# Altium PCB controller.PcbDoc (part 4 of 6) (continued)
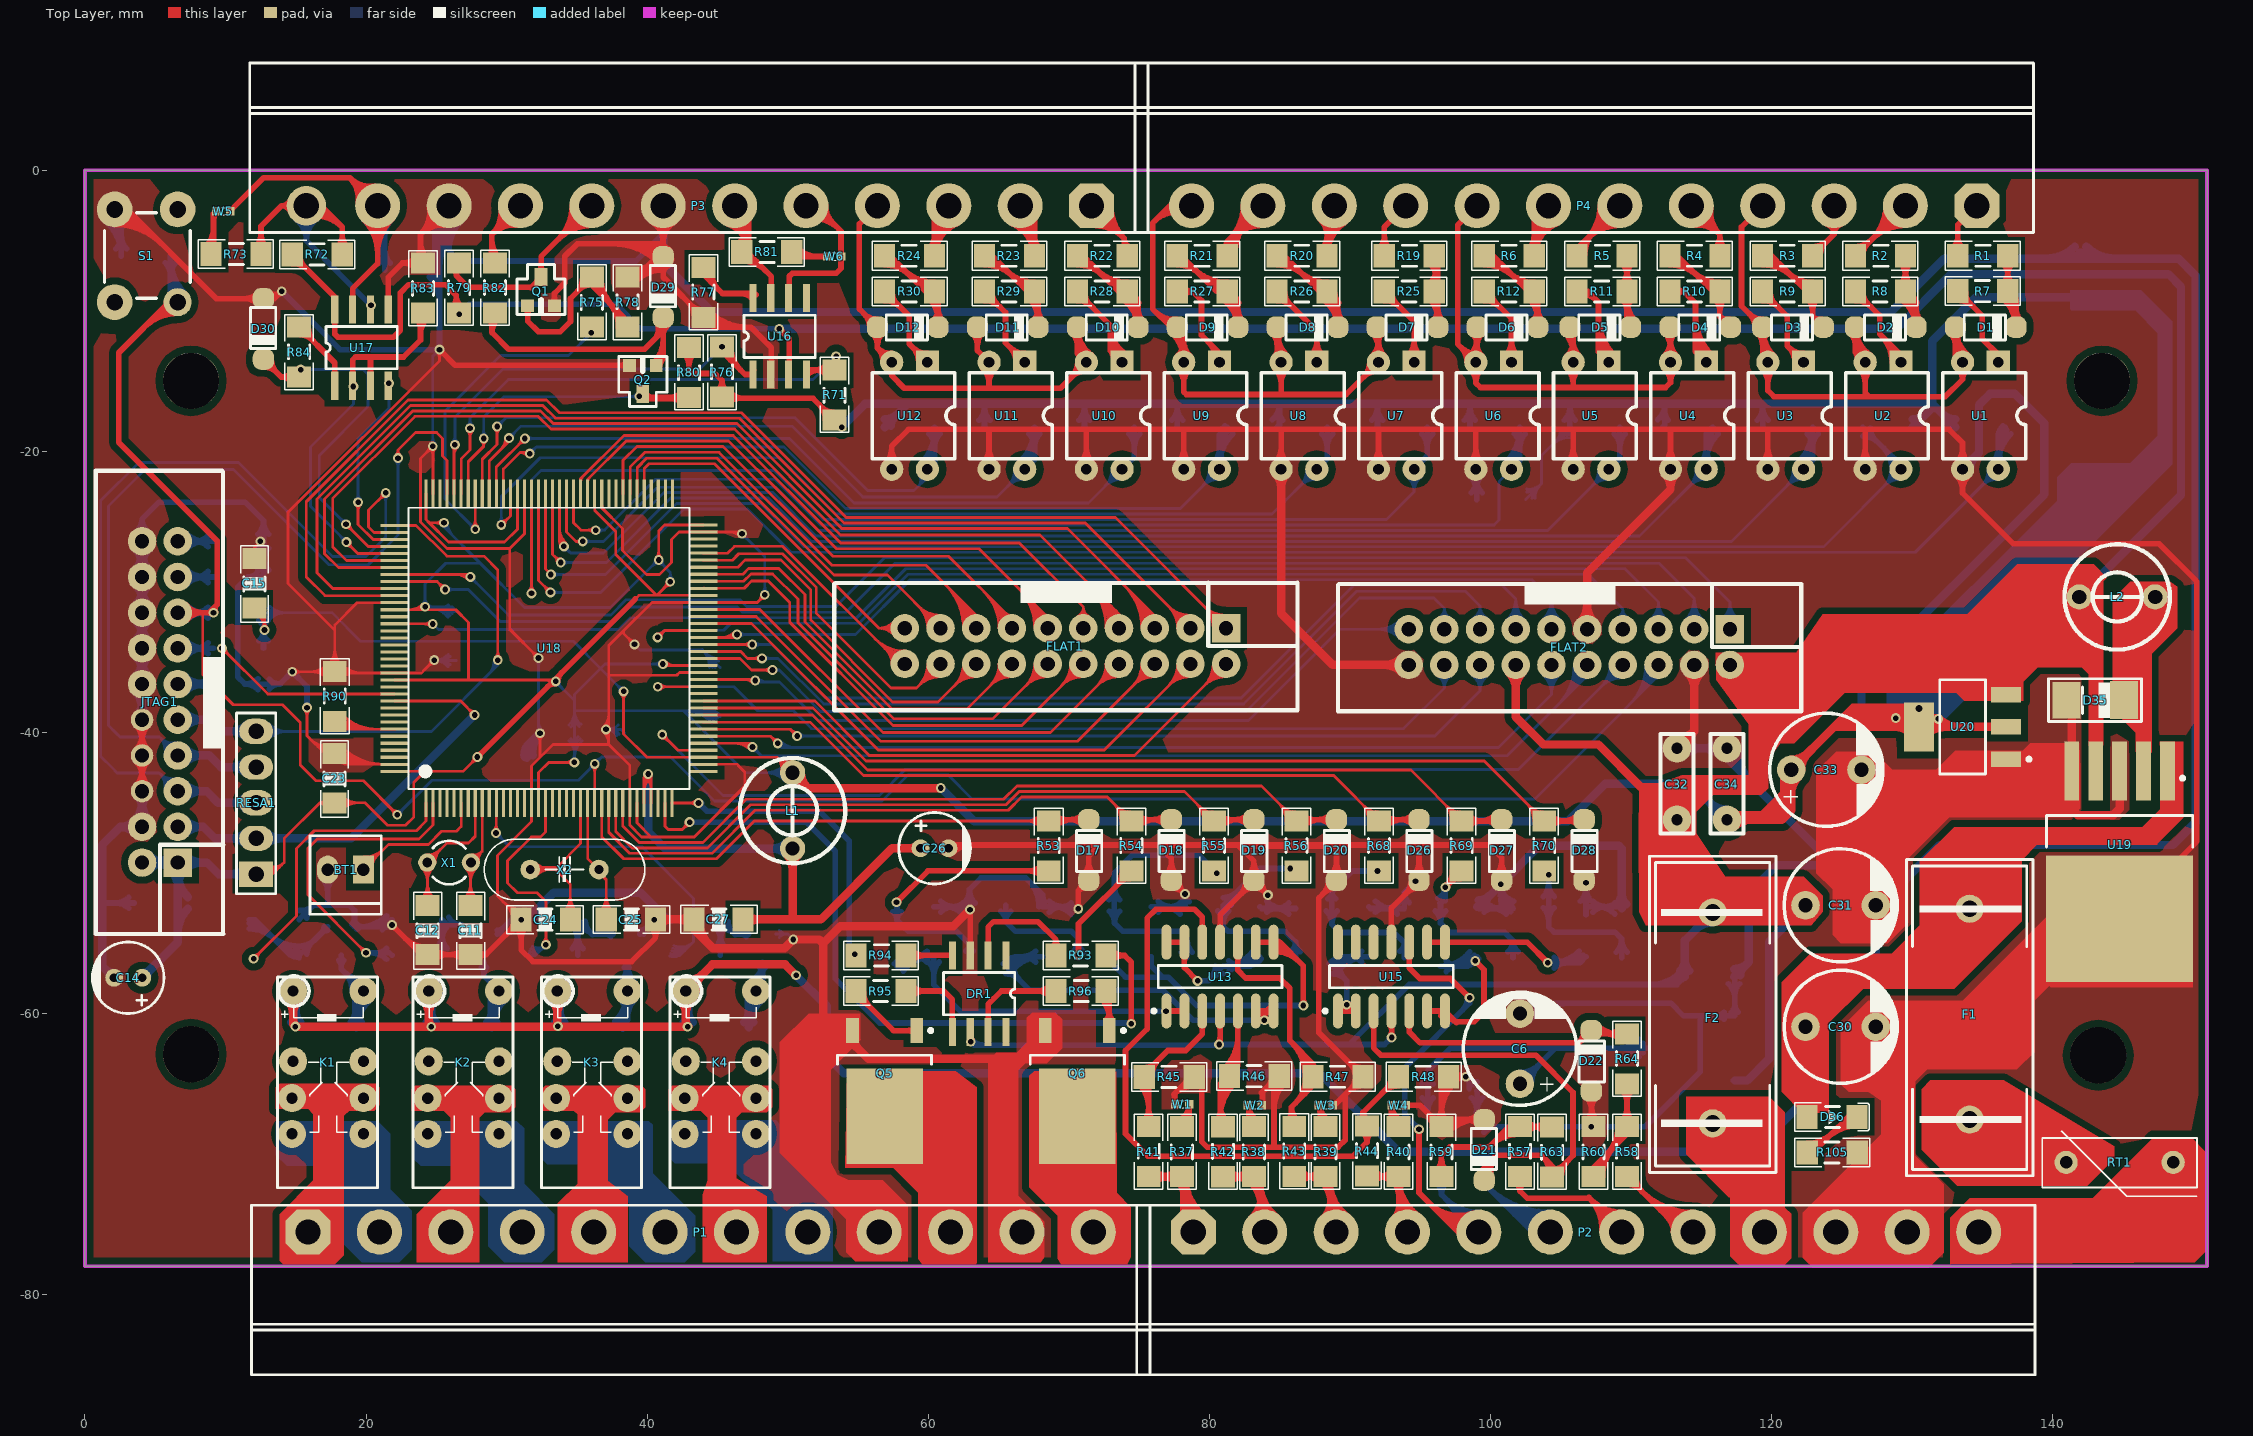
[diagram p0: Top Layer view]
## Nets (pads, with @x,y where several pads share a name; then routed paths per layer and width w, separated by ;. In a path a pad name is that pad's centre, name@x,y a point inside that pad or via, vN(x,y) a via of type N, cw(c..) or ccw(c..) an arc to the next point about the centre after c; other vN are vias at no path point) (continued)
  Bottom Layer w0.2: v1(40.75,-33.25) 41.25,-32.75 45.45,-32.75 45.955,-32.245 55.08,-32.245 58.565,-28.76 106.935,-28.76 109.43,-31.255 ; v1@40.75,-33 ccw(c40.75,-32.396) 41.177,-32.823 ccw(c41.604,-33.25) v1@41,-33.25 ; FLAT2.7@109.052,-31.84 ccw(c108.787,-31.255) 109.43,-31.255 ; FLAT2.7@109.135,-32.023 ccw(c108.928,-31.565) 109.43,-31.565 ccw(c109.932,-31.565) FLAT2.7@109.725,-32.023 ; FLAT2.7@109.43,-32.675 109.43,-31.255 ; FLAT2.7@109.808,-31.84 cw(c110.073,-31.255) 109.43,-31.255
LEDBK1: FLAT1.2 U18.47 | length 49.6
  Top Layer w0.2: U18.47@44.02,-37.786 51.936,-37.786 55.81,-41.66 74.68,-41.66 FLAT1.2@81.2,-35.14 ; FLAT1.2@80.284,-35.14 cw(c78.073,-35.14) 79.636,-36.704 cw(c81.2,-38.267) FLAT1.2@81.2,-36.056 ; FLAT1.2@80.484,-35.14 cw(c78.755,-35.14) 79.978,-36.362 cw(c81.2,-37.585) FLAT1.2@81.2,-35.856 ; FLAT1.2@80.684,-35.14 cw(c79.438,-35.14) 80.319,-36.021 cw(c81.2,-36.902) FLAT1.2@81.2,-35.656
LINKRX: P3.9 R82.2 | length 14
  Top Layer w0.4: R82.2@28.686,-6.213 ccw(c28.034,-5.561) 28.956,-5.561 ; R82.2@28.956,-6.604 28.956,-6.602 28.956,-4.572 ; 28.956,-4.987 ccw(c30.69,-4.987) R82.2@29.464,-6.213 ; P3.9@29.598,-2.709 cw(c27.366,-2.982) 28.956,-4.572 ; P3.9@29.995,-2.661 cw(c28.401,-2.855) 29.537,-3.991 cw(c30.673,-5.127) P3.9@30.867,-3.533 ; P3.9@30.819,-3.93 ccw(c30.546,-6.162) 28.956,-4.572 ; P3.9@30.988,-2.54 28.956,-4.572
LINKTX: P3.8 Q1.3 R79.2 | length 26.1
  Top Layer w0.4: R79.2@26.19,-7.038 cw(c25.836,-7.498) 26.416,-7.498 cw(c26.804,-7.498) R79.2@26.689,-7.127 ; R79.2@26.416,-6.604 26.416,-7.491 27.275,-8.35 31.731,-8.35 Q1.3@32.461,-7.62 32.461,-6.147 P3.8@36.068,-2.54 ; 31.719,-8.363 cw(c32.461,-9.105) Q1.3@32.461,-8.055 ; Q1.3@32.279,-7.26 ccw(c31.84,-6.821) 32.461,-6.821 ccw(c33.082,-6.821) Q1.3@32.643,-7.26 ; P3.8@34.668,-2.54 cw(c31.288,-2.54) 33.678,-4.93 cw(c36.068,-7.32) P3.8@36.068,-3.94 ; P3.8@35.068,-2.54 cw(c32.654,-2.54) 34.361,-4.247 cw(c36.068,-5.954) P3.8@36.068,-3.54
M1: P1.10 Q5.2
M2: P1.12 Q6.2
MISO_ENC: FLAT2.12 U18.42 | length 75.6
  Top Layer w0.2: U18.42@44.02,-40.286 48.786,-40.286 v1(49.3,-40.8) ; v1@49.05,-40.8 ccw(c48.446,-40.8) 48.873,-40.373 ccw(c49.3,-39.946) v1@49.3,-40.55
  Bottom Layer w0.2: v1@49.194,-40.906 ccw(c49.662,-40.438) 49.662,-41.1 ; v1(49.3,-40.8) 49.6,-41.1 100.575,-41.1 104.35,-37.325 ; v1@49.335,-40.765 ccw(c50.145,-39.955) 50.145,-41.1 ; v1@49.477,-40.623 ccw(c50.628,-39.472) 50.628,-41.1 ; FLAT2.12@103.725,-35.884 cw(c102.378,-37.325) 104.35,-37.325 ; FLAT2.12@103.861,-35.738 cw(c102.809,-36.864) 104.35,-36.864 cw(c105.891,-36.864) FLAT2.12@104.839,-35.738 ; FLAT2.12@103.998,-35.592 cw(c103.239,-36.404) 104.35,-36.404 cw(c105.461,-36.404) FLAT2.12@104.702,-35.592 ; FLAT2.12@104.35,-35.215 104.35,-37.325 ; FLAT2.12@104.975,-35.884 ccw(c106.322,-37.325) 104.35,-37.325
MOS1: R93.1 U18.35 | length 57.7
  Top Layer w0.2: U18.35@41.27,-45.036 41.27,-46.695 41.5,-46.925 42.5,-46.925 v1(43.025,-46.4) ; v1@42.775,-46.4 cw(c42.171,-46.4) 42.598,-46.827 cw(c43.025,-47.254) v1@43.025,-46.65 ; v1(74.45,-60.75) v1@74.575,-60.625
  Top Layer w0.4: R93.1@72.644,-55.88 73.98,-55.88 74.45,-56.35 v1(74.45,-60.75) ; R93.1@73.033,-56.269 cw(c73.972,-57.208) 73.972,-55.88 cw(c73.972,-54.552) R93.1@73.033,-55.491 ; v1@74.344,-60.644 ccw(c74.088,-60.388) 74.45,-60.388 ccw(c74.812,-60.388) v1@74.556,-60.644
  Bottom Layer w0.2: v1(43.025,-46.4) v1@43.075,-46.35
  Bottom Layer w0.4: v1(43.025,-46.4) 51.325,-46.4 53.4,-48.475 53.4,-57.55 56.543,-60.693 74.393,-60.693 v1(74.45,-60.75) ; v1@43.131,-46.506 cw(c43.387,-46.762) 43.387,-46.4 cw(c43.387,-46.038) v1@43.131,-46.294 ; 73.95,-60.693 cw(c73.95,-61.25) v1@74.344,-60.856
MOS2: R94.1 U18.36 | length 23.8
  Top Layer w0.2: U18.36@41.77,-45.036 v1(43.661,-45.036) ; v1@43.484,-45.213 ccw(c43.057,-45.64) 43.057,-45.036 ccw(c43.057,-44.432) v1@43.484,-44.859
  Bottom Layer w0.2: v1(54.775,-55.8) v1@54.85,-55.725
  Bottom Layer w0.4: v1@43.661,-45.186 cw(c43.661,-45.548) 43.917,-45.292 cw(c44.173,-45.036) v1@43.811,-45.036 ; v1@43.873,-45.036 v1(43.661,-45.036) 44.25,-45.625 52.275,-45.625 54.375,-47.725 54.375,-55.4 v1(54.775,-55.8)
MOSI_ENC: FLAT2.16 U18.43 | length 66.5
  Top Layer w0.2: U18.43@44.02,-39.786 50.186,-39.786 v1(50.675,-40.275) ; v1@50.425,-40.275 ccw(c49.821,-40.275) 50.248,-39.848 ccw(c50.675,-39.421) v1@50.675,-40.025
  Bottom Layer w0.2: v1(50.675,-40.275) 96.05,-40.275 99.27,-37.055 ; v1@50.852,-40.452 cw(c51.279,-40.879) 51.279,-40.275 cw(c51.279,-39.671) v1@50.852,-40.098 ; FLAT2.16@98.718,-35.946 cw(c97.88,-37.055) 99.27,-37.055 ; FLAT2.16@98.838,-35.786 cw(c98.184,-36.653) 99.27,-36.653 cw(c100.356,-36.653) FLAT2.16@99.702,-35.786 ; FLAT2.16@98.959,-35.627 cw(c98.487,-36.251) 99.27,-36.251 cw(c100.053,-36.251) FLAT2.16@99.581,-35.627 ; FLAT2.16@99.27,-35.215 99.27,-37.055 ; FLAT2.16@99.822,-35.946 ccw(c100.66,-37.055) 99.27,-37.055
NetBT1_1: BT1.1 U18.6 | length 14.6
  Top Layer w0.2: BT1.1@19.812,-49.784 21.606,-47.99 24.435,-47.99 25.375,-47.05 26.425,-47.05 26.77,-46.705 U18.6@26.77,-45.036 ; BT1.1@19.812,-49.284 ccw(c19.812,-48.077) 20.666,-48.93 ; BT1.1@19.812,-49.084 ccw(c19.812,-47.394) 21.007,-48.589 ; BT1.1@19.812,-48.884 ccw(c19.812,-46.711) 21.348,-48.248 ; BT1.1@20.462,-49.534 cw(c21.428,-49.534) 20.745,-48.851
NetC1_1: C1.1 D13.2 R53.1 | length 25.2
  Top Layer w0.4: v1(57.75,-52.1) 59.979,-49.871 R53.1@68.58,-49.871 ; v1@57.75,-51.95 ccw(c57.75,-51.588) 58.006,-51.844 ccw(c58.262,-52.1) v1@57.9,-52.1 ; R53.1@68.091,-50.26 ccw(c67.152,-51.199) 67.152,-49.871 ccw(c67.152,-48.544) R53.1@68.091,-49.482
  Bottom Layer w0.4: D13.2@57.477,-52.78 cw(c57.084,-53.36) 57.785,-53.36 ; D13.2@57.644,-52.206 cw(c57.303,-52.547) D13.2@57.785,-52.547 ; D13.2@57.785,-52.324 57.785,-53.36 ; D13.2@58.093,-52.78 ccw(c58.486,-53.36) 57.785,-53.36 ; C1.1@62.662,-55.572 ccw(c62.38,-55.089) 62.939,-55.089 ; C1.1@62.939,-56.047 62.939,-55.089 ; C1.1@63.217,-55.572 cw(c63.499,-55.089) 62.939,-55.089 ; 57.785,-53.36 58.575,-54.15 62,-54.15 62.939,-55.089
NetC2_1: C2.1 D14.2 R54.1 | length 22.5
  Top Layer w0.4: v1@70.594,-55.744 ccw(c70.338,-55.488) 70.7,-55.488 ccw(c71.062,-55.488) v1@70.806,-55.744 ; v1(70.7,-55.85) 70.7,-53.627 R54.1@74.456,-49.871 ; 73.346,-50.981 ccw(c72.237,-49.871) R54.1@73.806,-49.871 ; 73.588,-50.74 cw(c74.356,-51.508) R54.1@74.356,-50.421
  Bottom Layer w0.4: D14.2@65.176,-52.753 cw(c64.602,-53.47) 65.52,-53.47 ; D14.2@65.52,-52.324 65.52,-53.47 ; D14.2@65.864,-52.753 ccw(c66.438,-53.47) 65.52,-53.47 ; C2.1@70.285,-55.658 ccw(c69.346,-54.72) 70.674,-54.72 ccw(c72.002,-54.72) C2.1@71.063,-55.658 ; C2.1@70.674,-56.047 70.674,-55.85 70.674,-54.649 70.2,-54.175 66.225,-54.175 65.52,-53.47 ; C2.1@70.674,-55.425 ccw(c71.125,-55.425) C2.1@70.806,-55.744
NetC3_1: C3.1 D15.2 R55.1 | length 25.6
  Bottom Layer w0.4: D15.2@72.865,-51.935 ccw(c71.926,-50.996) 73.254,-50.996 ccw(c74.582,-50.996) D15.2@73.643,-51.935 ; D15.2@72.881,-52.728 cw(c72.097,-53.579) 73.254,-53.579 ; D15.2@73.627,-52.728 ccw(c74.411,-53.579) 73.254,-53.579 ; C3.1@78.02,-55.658 ccw(c77.081,-54.72) 78.409,-54.72 ccw(c79.736,-54.72) C3.1@78.797,-55.658 ; C3.1@78.409,-56.047 78.409,-54.609 77.975,-54.175 73.85,-54.175 73.254,-53.579 ; 80.269,-49.769 cw(c80.013,-50.025) v1@80.375,-50.025 ; 80.269,-49.769 ccw(c80.525,-49.513) v1@80.525,-49.875 ; v1(80.525,-50.025) 79.25,-48.75 74.525,-48.75 73.254,-50.021 D15.2@73.254,-52.324 73.254,-53.579
NetC4_1: C4.1 D16.2 R56.1 | length 20.6
  Top Layer w0.4: v1(85.775,-49.7) R56.1@85.875,-49.8
  Bottom Layer w0.4: D16.2@80.6,-52.713 cw(c79.661,-53.652) 80.989,-53.652 cw(c82.317,-53.652) D16.2@81.378,-52.713 ; D16.2@81.001,-51.774 ccw(c81.001,-50.475) 81.919,-51.394 ; D16.2@81.551,-52.324 cw(c82.908,-52.324) 81.948,-51.365 ; v1@85.669,-49.806 ccw(c85.413,-50.062) 85.413,-49.7 ccw(c85.413,-49.338) v1@85.669,-49.594 ; v1(85.775,-49.7) 83.613,-49.7 D16.2@80.989,-52.324 80.989,-53.814 81.35,-54.175 85.4,-54.175 86.143,-54.918 ; C4.1@85.804,-55.614 ccw(c85.259,-54.918) 86.143,-54.918 ; C4.1@86.143,-56.047 86.143,-54.918 ; C4.1@86.482,-55.614 cw(c87.027,-54.918) 86.143,-54.918
NetC8_1: C8.1 D23.2 R68.1 | length 18.3
  Bottom Layer w0.4: D23.2@88.334,-52.713 cw(c87.396,-53.652) 88.723,-53.652 cw(c90.051,-53.652) D23.2@89.112,-52.713 ; D23.2@88.44,-51.853 ccw(c88.139,-51.352) 88.723,-51.352 ; D23.2@89.007,-51.853 cw(c89.308,-51.352) 88.723,-51.352 ; v1@91.869,-49.981 ccw(c91.613,-50.237) 91.613,-49.875 ccw(c91.613,-49.513) v1@91.869,-49.769 ; v1(91.975,-49.875) 90.2,-49.875 88.723,-51.352 ; C8.1@93.558,-55.6 ccw(c93.113,-54.978) 93.878,-54.978 ; C8.1@93.878,-56.047 93.878,-54.978 ; C8.1@94.198,-55.6 cw(c94.643,-54.978) 93.878,-54.978 ; 88.723,-51.352 D23.2@88.723,-52.324 88.723,-53.673 89.3,-54.25 93.15,-54.25 93.878,-54.978
NetC9_1: C9.1 D24.2 R69.1 | length 19.4
  Top Layer w0.4: v1(96.8,-51.031) R69.1@97.959,-49.871 ; v1@96.8,-50.881 ccw(c96.8,-50.518) 97.056,-50.775 ccw(c97.312,-51.031) v1@96.95,-51.031 ; v1@96.85,-50.981 ccw(c95.742,-49.872) R69.1@97.309,-49.872 ; 97.091,-50.74 cw(c97.859,-51.508) R69.1@97.859,-50.421
  Bottom Layer w0.4: D24.2@96.084,-52.728 cw(c95.292,-53.583) 96.458,-53.583 ; D24.2@96.268,-51.812 ccw(c95.96,-51.031) v1(96.8,-51.031) D24.2@96.8,-52 ; D24.2@96.415,-52.184 ccw(c96.192,-51.619) D24.2@96.8,-51.619 ; D24.2@96.458,-52.324 96.458,-53.583 ; v1@96.694,-51.137 cw(c96.438,-51.393) 96.8,-51.393 cw(c97.162,-51.393) v1@96.906,-51.137 ; D24.2@96.832,-52.728 ccw(c97.624,-53.583) 96.458,-53.583 ; C9.1@101.251,-55.633 ccw(c100.556,-54.837) 101.612,-54.837 ; C9.1@101.612,-56.047 101.612,-54.837 ; C9.1@101.974,-55.633 cw(c102.668,-54.837) 101.612,-54.837 ; 96.458,-53.583 97.125,-54.25 101.025,-54.25 101.612,-54.837
NetC10_1: C10.1 D25.2 R70.1 | length 17.4
  Bottom Layer w0.4: D25.2@103.761,-52.48 cw(c102.822,-53.419) 104.15,-53.419 cw(c105.478,-53.419) D25.2@104.539,-52.48 ; D25.2@103.761,-51.702 ccw(c102.822,-50.763) 104.15,-50.763 ccw(c105.478,-50.763) D25.2@104.539,-51.702 ; v1@104.044,-50.256 cw(c103.788,-50.512) 104.15,-50.512 cw(c104.512,-50.512) v1@104.256,-50.256 ; v1(104.15,-50.15) D25.2@104.15,-52.091 104.15,-53.85 104.525,-54.225 108.875,-54.225 109.347,-54.697 C10.1@109.347,-56.047 ; C10.1@108.958,-55.658 ccw(c108.019,-54.72) 109.347,-54.72 ccw(c110.675,-54.72) C10.1@109.736,-55.658
NetC11_1: C11.1 U18.9 X1.2 | length 17.9
  Top Layer w0.2: C11.1@26.972,-51.872 ccw(c25.863,-50.763) 27.432,-50.763 ccw(c29.001,-50.763) C11.1@27.892,-51.872 ; X1.2@27.069,-49.665 cw(c26.193,-50.541) 27.432,-50.541 ; C11.1@27.114,-52.014 ccw(c26.346,-51.246) 27.432,-51.246 ccw(c28.518,-51.246) C11.1@27.75,-52.014 ; X1.2@27.211,-49.523 cw(c26.676,-50.058) 27.432,-50.058 ; C11.1@27.432,-52.332 27.432,-49.302 X1.2@27.458,-49.276 28.27,-48.464 ; 27.432,-50.667 cw(c28.849,-50.667) X1.2@27.847,-49.665 ; 27.432,-50.184 cw(c28.366,-50.184) X1.2@27.705,-49.523 ; X1.2@27.496,-48.928 ccw(c27.559,-48.344) 27.975,-48.759 ccw(c28.39,-49.175) X1.2@27.806,-49.238 ; X1.2@27.517,-48.729 ccw(c27.617,-47.811) 28.27,-48.464 ; X1.2@28.005,-49.217 cw(c28.923,-49.117) 28.27,-48.464 ; U18.9@28.27,-45.036 28.27,-48.464
NetC12_1: C12.1 U18.8 X1.1 | length 20.6
  Top Layer w0.2: C12.1@23.924,-51.872 ccw(c22.815,-50.763) 24.384,-50.763 ccw(c25.953,-50.763) C12.1@24.844,-51.872 ; X1.1@23.969,-49.665 cw(c22.967,-50.667) 24.384,-50.667 ; C12.1@24.066,-52.014 ccw(c23.298,-51.246) 24.384,-51.246 ccw(c25.47,-51.246) C12.1@24.702,-52.014 ; X1.1@24.111,-49.523 cw(c23.45,-50.184) 24.384,-50.184 ; X1.1@24.358,-48.926 ccw(c24.358,-48.081) 24.955,-48.679 ccw(c25.553,-49.276) X1.1@24.708,-49.276 ; X1.1@24.358,-48.726 ccw(c24.358,-47.398) 25.297,-48.337 ccw(c26.236,-49.276) X1.1@24.908,-49.276 ; C12.1@24.384,-52.332 24.384,-49.302 X1.1@24.358,-49.276 25.759,-47.875 27.3,-47.875 27.77,-47.405 U18.8@27.77,-45.036 ; 24.384,-50.541 cw(c25.623,-50.541) X1.1@24.747,-49.665 ; 24.384,-50.058 cw(c25.14,-50.058) X1.1@24.605,-49.523
NetC24_1: C24.1 U18.23 X2.2 | length 25.3
  Top Layer w0.2: X2.2@31.697,-49.775 X2.2@31.685,-49.775 ; X2.2@31.825,-49.915 cw(c32.544,-50.634) 32.544,-49.617 ; X2.2@31.967,-49.493 ccw(c32.647,-48.813) 32.647,-49.775 ccw(c32.647,-50.737) 31.967,-50.057 cw(c33.027,-51.117) 33.027,-49.617 ; 32.75,-49.617 cw(c32.75,-48.71) 32.108,-49.352 ccw(c33.13,-48.33) 33.13,-49.775 ccw(c33.13,-51.22) 32.108,-50.198 cw(c33.51,-51.6) 33.51,-49.617 ; C24.1@34.076,-52.78 ccw(c32.967,-51.671) 34.536,-51.671 ccw(c36.105,-51.671) C24.1@34.996,-52.78 ; C24.1@34.218,-52.922 ccw(c33.45,-52.154) 34.536,-52.154 ccw(c35.622,-52.154) C24.1@34.854,-52.922 ; C24.1@34.536,-53.34 34.536,-50.825 33.486,-49.775 X2.2@31.685,-49.775 ; U18.23@35.27,-45.036 35.27,-47.93 33.583,-49.617 31.843,-49.617 X2.2@31.685,-49.775
NetC25_1: C25.1 U18.24 X2.1 | length 12.8
  Top Layer w0.2: U18.24@35.77,-45.036 35.77,-48.98 X2.1@36.565,-49.775 ; X2.1@36.565,-49.975 37.092,-50.502 C25.1@37.092,-53.34 ; C25.1@36.632,-52.78 ccw(c35.523,-51.671) 37.092,-51.671 ccw(c38.661,-51.671) C25.1@37.552,-52.78 ; C25.1@36.774,-52.922 ccw(c36.006,-52.154) 37.092,-52.154 ccw(c38.178,-52.154) C25.1@37.41,-52.922
NetC26_1: C26.1 C27.2 L1.1 U18.32 U18.33 | length 50.9
  Top Layer w0.2: U18.32@39.77,-45.036 39.77,-43.28 v1(40.075,-42.975) 40.27,-43.17 U18.33@40.27,-45.036 ; U18.32@39.77,-44.315 cw(c41.415,-44.315) v1@40.252,-43.152 ; 39.77,-43.832 cw(c40.932,-43.832) v1@40.11,-43.01 ; 39.77,-43.349 cw(c40.449,-43.349) v1@39.969,-42.869 ; v1@39.898,-43.152 cw(c39.001,-44.049) U18.33@40.27,-44.049 ; v1@40.04,-43.01 cw(c39.484,-43.566) 40.27,-43.566
  Top Layer w0.6: C27.2@46.825,-53.325 50.275,-53.325 ; C27.2@47.143,-53.643 cw(c47.911,-54.411) 47.911,-53.325 cw(c47.911,-52.239) C27.2@47.143,-53.007 ; L1.1@49.926,-48.706 cw(c48.901,-49.731) 50.35,-49.731 cw(c51.799,-49.731) L1.1@50.774,-48.706 ; L1.1@50.35,-48.282 50.35,-53.25 50.275,-53.325 ; C26.1@59.215,-48.497 ccw(c58.643,-49.069) 58.643,-48.26 ccw(c58.643,-47.451) C26.1@59.215,-48.023 ; C26.1@59.452,-48.26 57.431,-48.26 52.366,-53.325 50.275,-53.325
  Bottom Layer w0.6: v1(40.075,-42.975) 40.075,-47.075 41.282,-48.282 L1.1@50.35,-48.282 ; L1.1@49.926,-48.706 ccw(c48.901,-49.731) 48.901,-48.282 ccw(c48.901,-46.834) L1.1@49.926,-47.858
NetD1_2: D1.2 R1.2 R7.1 | length 16.8
  Top Layer w0.4: R7.1@136.43,-8.128 ccw(c135.491,-7.189) 136.819,-7.189 ccw(c138.146,-7.189) R7.1@137.208,-8.128 ; R1.2@136.43,-6.585 cw(c135.491,-7.524) 136.819,-7.524 cw(c138.146,-7.524) R1.2@137.208,-6.585 ; R7.1@136.456,-9.13 cw(c134.596,-11.247) D1.2@137.414,-11.247 ; R7.1@136.72,-8.829 cw(c135.372,-10.363) 137.414,-10.363 ; R1.2@136.819,-6.096 R7.1@136.819,-8.617 137.414,-9.212 D1.2@137.414,-11.176 ; R7.1@136.984,-8.529 cw(c136.148,-9.48) 137.414,-9.48 ; D1.2@137.025,-10.775 ccw(c136.086,-9.836) 137.414,-9.836 ccw(c138.742,-9.836) D1.2@137.803,-10.775
NetD2_2: D2.2 R2.2 R8.1 | length 18.9
  Top Layer w0.4: R8.1@129.151,-8.147 ccw(c128.212,-7.208) 129.54,-7.208 ccw(c130.868,-7.208) R8.1@129.929,-8.147 ; R2.2@129.151,-6.585 cw(c128.212,-7.524) 129.54,-7.524 cw(c130.868,-7.524) R2.2@129.929,-6.585 ; R8.1@129.219,-9.183 cw(c127.706,-11.292) D2.2@130.302,-11.292 ; R8.1@129.453,-8.858 cw(c128.265,-10.513) D2.2@130.302,-10.513 ; R2.2@129.54,-6.096 R8.1@129.54,-8.636 130.302,-9.398 D2.2@130.302,-11.176 ; R8.1@129.681,-9.268 cw(c129.86,-9.94) 130.352,-9.448 cw(c130.989,-8.811) R8.1@130.089,-8.764 ; R8.1@129.686,-8.533 cw(c128.824,-9.734) 130.302,-9.734 ; D2.2@129.913,-10.775 ccw(c128.974,-9.836) 130.302,-9.836 ccw(c131.63,-9.836) D2.2@130.691,-10.775
NetD3_2: D3.2 R3.2 R9.1 | length 19.1
  Top Layer w0.4: R3.2@119.38,-6.746 cw(c119.38,-9.802) 121.541,-7.641 ; R3.2@119.38,-6.346 cw(c119.38,-8.437) 120.858,-6.958 ; R3.2@119.38,-6.096 119.996,-6.096 122.536,-8.636 R9.1@122.936,-8.636 122.936,-10.414 D3.2@123.698,-11.176 ; R3.2@119.38,-5.946 cw(c119.38,-7.071) 120.176,-6.276 ; 121.144,-7.244 ccw(c122.936,-5.451) R9.1@122.936,-7.986 ; 121.826,-7.926 ccw(c122.936,-6.817) R9.1@122.936,-8.386 ; R9.1@122.547,-9.125 cw(c121.608,-10.064) 122.936,-10.064 cw(c124.264,-10.064) R9.1@123.325,-9.125 ; D3.2@123.155,-11.077 ccw(c122.405,-10.957) 122.942,-10.42 ccw(c123.463,-9.899) D3.2@123.597,-10.623
NetD4_2: D4.2 R4.2 R10.1 | length 18.2
  Top Layer w0.4: R4.2@112.776,-6.746 cw(c112.776,-9.571) 114.773,-7.573 ; R4.2@112.776,-6.346 cw(c112.776,-8.205) 114.09,-6.89 ; R4.2@112.776,-6.096 113.296,-6.096 115.836,-8.636 R10.1@116.332,-8.636 116.332,-10.414 D4.2@117.094,-11.176 ; 114.376,-7.176 ccw(c116.332,-5.219) R10.1@116.332,-7.986 ; 115.058,-7.858 ccw(c116.332,-6.585) R10.1@116.332,-8.386 ; R10.1@115.943,-9.125 cw(c115.004,-10.064) 116.332,-10.064 cw(c117.66,-10.064) R10.1@116.721,-9.125 ; D4.2@116.551,-11.077 ccw(c115.801,-10.957) 116.338,-10.42 ccw(c116.859,-9.899) D4.2@116.993,-10.623
NetD5_2: D5.2 R5.2 R11.1 | length 14.5
  Top Layer w0.4: R11.1@109.339,-9.125 cw(c108.4,-10.064) 109.728,-10.064 cw(c111.056,-10.064) R11.1@110.117,-9.125 ; R11.1@109.339,-8.147 ccw(c108.4,-7.208) 109.728,-7.208 ccw(c111.056,-7.208) R11.1@110.117,-8.147 ; R5.2@109.339,-6.585 cw(c108.4,-7.524) 109.728,-7.524 cw(c111.056,-7.524) R5.2@110.117,-6.585 ; D5.2@109.593,-10.775 ccw(c109.267,-10.449) D5.2@109.728,-10.449 ; 109.728,-10.189 ccw(c110.957,-10.189) D5.2@110.088,-11.058 ; R11.1@109.728,-9.223 ccw(c111.923,-9.223) D5.2@110.371,-10.775 ; R5.2@109.728,-6.096 R11.1@109.728,-8.636 109.728,-10.922 D5.2@109.982,-11.176
NetD6_2: D6.2 R6.2 R12.1 | length 20.5
  Top Layer w0.4: R6.2@99.568,-6.746 cw(c99.568,-9.771) 101.707,-7.632 ; R6.2@99.568,-6.346 cw(c99.568,-8.405) 101.024,-6.949 ; R6.2@99.568,-6.096 100.171,-6.096 102.711,-8.636 R12.1@103.124,-8.636 103.378,-8.89 D6.2@103.378,-11.176 ; R6.2@99.568,-5.946 cw(c99.568,-7.04) 100.341,-6.266 ; 101.309,-7.234 ccw(c103.124,-5.42) R12.1@103.124,-7.986 ; 101.992,-7.917 ccw(c103.124,-6.785) R12.1@103.124,-8.386 ; R12.1@102.735,-9.125 cw(c101.183,-10.677) D6.2@103.378,-10.677 ; D6.2@102.989,-10.775 ccw(c102.05,-9.836) 103.378,-9.836 ccw(c104.706,-9.836) D6.2@103.767,-10.775 ; R12.1@103.018,-8.842 cw(c102.149,-9.711) 103.378,-9.711 ; R12.1@103.378,-9.451 cw(c103.839,-9.451) R12.1@103.513,-9.125
NetD7_2: D7.2 R19.2 R25.1 | length 16.4
  Top Layer w0.4: R25.1@95.623,-9.125 cw(c94.071,-10.677) D7.2@96.266,-10.677 ; R25.1@95.623,-8.147 ccw(c94.071,-6.595) R19.2@96.266,-6.595 ; R19.2@95.623,-6.585 cw(c94.071,-8.137) R25.1@96.266,-8.137 ; D7.2@95.877,-10.775 ccw(c94.938,-9.836) 96.266,-9.836 ccw(c97.594,-9.836) D7.2@96.655,-10.775 ; R25.1@95.906,-8.842 cw(c95.037,-9.711) 96.266,-9.711 ; R25.1@95.906,-8.43 ccw(c95.037,-7.561) 96.266,-7.561 ; R19.2@95.906,-6.302 cw(c95.037,-7.171) 96.266,-7.171 ; R19.2@96.012,-6.096 96.266,-6.35 96.266,-8.636 D7.2@96.266,-11.176 ; R25.1@96.266,-9.451 cw(c96.727,-9.451) R25.1@96.401,-9.125 ; R25.1@96.266,-7.821 ccw(c96.727,-7.821) R25.1@96.401,-8.147 ; R19.2@96.266,-6.911 cw(c96.727,-6.911) R19.2@96.401,-6.585
NetD8_2: D8.2 R20.2 R26.1 | length 24.1
  Top Layer w0.4: R20.2@84.836,-6.746 cw(c84.836,-9.486) 86.774,-7.549 ; R20.2@84.836,-6.346 cw(c84.836,-8.12) 86.091,-6.866 ; R20.2@84.836,-6.096 85.321,-6.096 87.861,-8.636 R26.1@88.392,-8.636 89.154,-9.398 D8.2@89.154,-11.176 ; 86.376,-7.151 ccw(c88.392,-5.135) R26.1@88.392,-7.986 ; 87.059,-7.834 ccw(c88.392,-6.501) R26.1@88.392,-8.386 ; R26.1@88.071,-9.183 cw(c86.558,-11.292) D8.2@89.154,-11.292 ; R26.1@88.305,-8.858 cw(c87.117,-10.513) D8.2@89.154,-10.513 ; R26.1@88.533,-9.268 cw(c88.712,-9.94) 89.204,-9.448 cw(c89.841,-8.811) R26.1@88.941,-8.764 ; R26.1@88.538,-8.533 cw(c87.676,-9.734) 89.154,-9.734 ; D8.2@88.765,-10.775 ccw(c87.826,-9.836) 89.154,-9.836 ccw(c90.482,-9.836) D8.2@89.543,-10.775
NetD9_2: D9.2 R21.2 R27.1 | length 25.2
  Top Layer w0.4: R21.2@77.724,-6.746 cw(c77.724,-8.972) 79.298,-7.398 ; R21.2@77.724,-6.346 cw(c77.724,-7.606) 78.615,-6.715 ; R21.2@77.724,-6.096 77.996,-6.096 80.536,-8.636 R27.1@81.28,-8.636 82.042,-9.398 D9.2@82.042,-11.176 ; 78.9,-7 ccw(c81.28,-4.621) R27.1@81.28,-7.986 ; 79.583,-7.683 ccw(c81.28,-5.986) R27.1@81.28,-8.386 ; 80.266,-8.366 ccw(c81.28,-7.352) R27.1@81.28,-8.786 ; R27.1@80.959,-9.183 cw(c79.446,-11.292) D9.2@82.042,-11.292 ; R27.1@81.193,-8.858 cw(c80.005,-10.513) D9.2@82.042,-10.513 ; R27.1@81.421,-9.268 cw(c81.6,-9.94) 82.092,-9.448 cw(c82.729,-8.811) R27.1@81.829,-8.764 ; R27.1@81.426,-8.533 cw(c80.564,-9.734) 82.042,-9.734 ; D9.2@81.653,-10.775 ccw(c80.714,-9.836) 82.042,-9.836 ccw(c83.37,-9.836) D9.2@82.431,-10.775
NetD10_2: D10.2 R22.2 R28.1 | length 25
  Top Layer w0.4: R22.2@70.612,-6.746 cw(c70.612,-9.242) 72.377,-7.477 ; R22.2@70.612,-6.346 cw(c70.612,-7.877) 71.694,-6.794 ; R22.2@70.612,-6.096 70.996,-6.096 73.536,-8.636 R28.1@74.168,-8.636 74.93,-9.398 D10.2@74.93,-11.176 ; 71.979,-7.079 ccw(c74.168,-4.891) R28.1@74.168,-7.986 ; 72.662,-7.762 ccw(c74.168,-6.257) R28.1@74.168,-8.386 ; 73.345,-8.445 ccw(c74.168,-7.622) R28.1@74.168,-8.786 ; R28.1@73.847,-9.183 cw(c72.334,-11.292) D10.2@74.93,-11.292 ; R28.1@74.081,-8.858 cw(c72.893,-10.513) D10.2@74.93,-10.513 ; R28.1@74.309,-9.268 cw(c74.488,-9.94) 74.98,-9.448 cw(c75.617,-8.811) R28.1@74.717,-8.764 ; R28.1@74.314,-8.533 cw(c73.452,-9.734) 74.93,-9.734 ; D10.2@74.541,-10.775 ccw(c73.602,-9.836) 74.93,-9.836 ccw(c76.258,-9.836) D10.2@75.319,-10.775
NetD11_2: D11.2 R23.2 R29.1 | length 19.7
  Top Layer w0.4: R23.2@64.008,-6.746 cw(c64.008,-9.614) 66.036,-7.586 ; R23.2@64.008,-6.346 cw(c64.008,-8.248) 65.353,-6.903 ; R23.2@64.008,-6.096 64.546,-6.096 67.086,-8.636 R29.1@67.564,-8.636 67.818,-8.89 D11.2@67.818,-11.176 ; 65.638,-7.188 ccw(c67.564,-5.263) R29.1@67.564,-7.986 ; 66.321,-7.871 ccw(c67.564,-6.628) R29.1@67.564,-8.386 ; R29.1@67.175,-9.125 cw(c65.623,-10.677) D11.2@67.818,-10.677 ; D11.2@67.429,-10.775 ccw(c66.49,-9.836) 67.818,-9.836 ccw(c69.146,-9.836) D11.2@68.207,-10.775 ; R29.1@67.458,-8.842 cw(c66.589,-9.711) 67.818,-9.711 ; R29.1@67.818,-9.451 cw(c68.279,-9.451) R29.1@67.953,-9.125
NetD12_2: D12.2 R24.2 R30.1 | length 20.6
  Top Layer w0.4: R24.2@56.896,-6.746 cw(c56.896,-9.221) 58.646,-7.471 ; R24.2@56.896,-6.346 cw(c56.896,-7.855) 57.963,-6.788 ; R24.2@56.896,-6.096 57.271,-6.096 59.811,-8.636 R30.1@60.452,-8.636 60.706,-8.89 D12.2@60.706,-11.176 ; 58.248,-7.073 ccw(c60.452,-4.869) R30.1@60.452,-7.986 ; 58.931,-7.756 ccw(c60.452,-6.235) R30.1@60.452,-8.386 ; 59.614,-8.439 ccw(c60.452,-7.601) R30.1@60.452,-8.786 ; R30.1@60.063,-9.125 cw(c58.511,-10.677) D12.2@60.706,-10.677 ; D12.2@60.317,-10.775 ccw(c59.378,-9.836) 60.706,-9.836 ccw(c62.034,-9.836) D12.2@61.095,-10.775 ; R30.1@60.346,-8.842 cw(c59.477,-9.711) 60.706,-9.711 ; R30.1@60.706,-9.451 cw(c61.167,-9.451) R30.1@60.841,-9.125
NetD13_1: D13.1 R49.2 U13.1 U13.2 | length 35.3
  Top Layer w0.4: U13.1@76.961,-59.841 U13.2@78.231,-59.841 ; U13.1@77.031,-59.956 cw(c77.309,-60.234) U13.1@77.309,-59.841 ; U13.1@77.067,-59.947 cw(c77.323,-60.203) 77.323,-59.841 cw(c77.323,-59.479) U13.1@77.067,-59.735 ; U13.2@78.125,-59.947 ccw(c77.869,-60.203) 77.869,-59.841 ccw(c77.869,-59.479) U13.2@78.125,-59.735
  Bottom Layer w0.4: D13.1@57.604,-56.482 cw(c58.7,-57.39) 58.7,-55.967 ; D13.1@57.785,-56.642 58.46,-55.967 R49.2@60.402,-55.967 ; D13.1@57.913,-56.738 cw(c59.551,-58.095) 59.551,-55.967 ; D13.1@58.221,-56.993 cw(c60.402,-58.801) R49.2@60.402,-55.967 ; R49.2@59.913,-56.356 ccw(c58.974,-57.295) 58.974,-55.967 ccw(c58.974,-54.64) R49.2@59.913,-55.578 ; R49.2@60.013,-56.356 cw(c59.074,-57.295) 60.402,-57.295 cw(c61.73,-57.295) R49.2@60.791,-56.356 ; v1@76.819,-59.956 ccw(c76.563,-60.212) 76.563,-59.85 ccw(c76.563,-59.488) v1@76.819,-59.744 ; v1(76.925,-59.85) 62.275,-59.85 60.402,-57.977 R49.2@60.402,-55.967
NetD14_1: D14.1 R50.2 U13.6 U13.7 | length 39.9
  Top Layer w0.4: U13.6@83.311,-59.841 84.075,-59.841 ; U13.6@83.417,-59.947 cw(c83.673,-60.203) 83.673,-59.841 cw(c83.673,-59.479) U13.6@83.417,-59.735 ; v1@83.819,-60.394 ccw(c83.563,-60.138) 83.925,-60.138 ccw(c84.287,-60.138) v1@84.031,-60.394 ; 83.822,-60.094 cw(c84.252,-60.524) U13.7@84.516,-59.976 ; v1(83.925,-60.5) 83.925,-59.991 84.075,-59.841 ; v1@84.043,-60.407 cw(c84.376,-60.142) 84.075,-59.841 ; 84.189,-59.727 cw(c84.531,-60.069) U13.7@84.635,-59.597 ; U13.7@84.581,-59.841 84.075,-59.841 ; 84.219,-59.841 ccw(c84.219,-59.479) U13.7@84.475,-59.735 ; 84.219,-59.841 cw(c84.219,-60.203) U13.7@84.475,-59.947 ; 84.219,-59.841 ccw(c84.219,-59.479) U13.7@84.475,-59.735 ; 84.219,-59.841 cw(c84.219,-60.203) U13.7@84.475,-59.947 ; 84.219,-59.841 ccw(c84.219,-59.479) U13.7@84.475,-59.735 ; 84.219,-59.841 cw(c84.219,-60.203) U13.7@84.475,-59.947
  Bottom Layer w0.4: D14.1@65.339,-56.482 cw(c66.435,-57.39) 66.435,-55.967 ; D14.1@65.532,-57.192 cw(c65.532,-58.491) 66.45,-57.572 ; D14.1@65.647,-56.738 cw(c67.286,-58.095) 67.286,-55.967 ; D14.1@65.955,-56.993 cw(c68.137,-58.801) R50.2@68.137,-55.967 66.194,-55.967 D14.1@65.52,-56.642 67.253,-58.375 76.725,-58.375 78.85,-60.5 v1(83.925,-60.5) ; D14.1@66.082,-56.642 ccw(c67.438,-56.642) 66.479,-57.601 ; R50.2@67.648,-56.356 ccw(c66.709,-57.295) 66.709,-55.967 ccw(c66.709,-54.64) R50.2@67.648,-55.578 ; v1@83.819,-60.606 ccw(c83.563,-60.862) 83.563,-60.5 ccw(c83.563,-60.138) v1@83.819,-60.394
NetD15_1: D15.1 R51.2 U13.8 U13.9 | length 30
  Top Layer w0.4: U13.9@83.311,-54.941 U13.8@84.581,-54.941 85.016,-54.941 86.7,-56.625 v1(86.7,-59.45) ; U13.9@83.417,-55.047 cw(c83.673,-55.303) 83.673,-54.941 cw(c83.673,-54.579) U13.9@83.417,-54.835 ; U13.8@84.475,-55.047 ccw(c84.219,-55.303) 84.219,-54.941 ccw(c84.219,-54.579) U13.8@84.475,-54.835 ; U13.8@84.581,-55.591 cw(c84.581,-58.21) 86.433,-56.358 ; U13.8@84.581,-55.191 cw(c84.581,-56.845) 85.75,-55.675 ; U13.8@84.581,-54.791 cw(c84.581,-55.479) 85.068,-54.993 ; U13.8@84.687,-55.047 cw(c84.943,-55.303) 84.943,-54.941 cw(c84.943,-54.579) U13.8@84.687,-54.835 ; v1@86.594,-59.344 ccw(c86.338,-59.088) 86.7,-59.088 ccw(c87.062,-59.088) v1@86.806,-59.344
  Bottom Layer w0.4: D15.1@73.254,-56.642 74.042,-57.43 76.655,-57.43 ; R51.2@75.871,-55.967 75.871,-56.646 76.655,-57.43 ; v1@86.594,-59.556 ccw(c86.338,-59.812) 86.338,-59.45 ccw(c86.338,-59.088) v1@86.594,-59.344 ; v1(86.7,-59.45) 79.1,-59.45 77.08,-57.43 76.655,-57.43